# Altium PCB 2022飞镖系统主控板.PcbDoc
Units mil, origin at the board's own origin, x right, y up, seen from the top; angles counter-clockwise.
Board outline 2440 x 2780 mil, 2 copper layers (Top Layer, Bottom Layer); 95 components, 63 nets, 331 pads, 167 vias.
Unrouted connection lines stored in the file: 4.
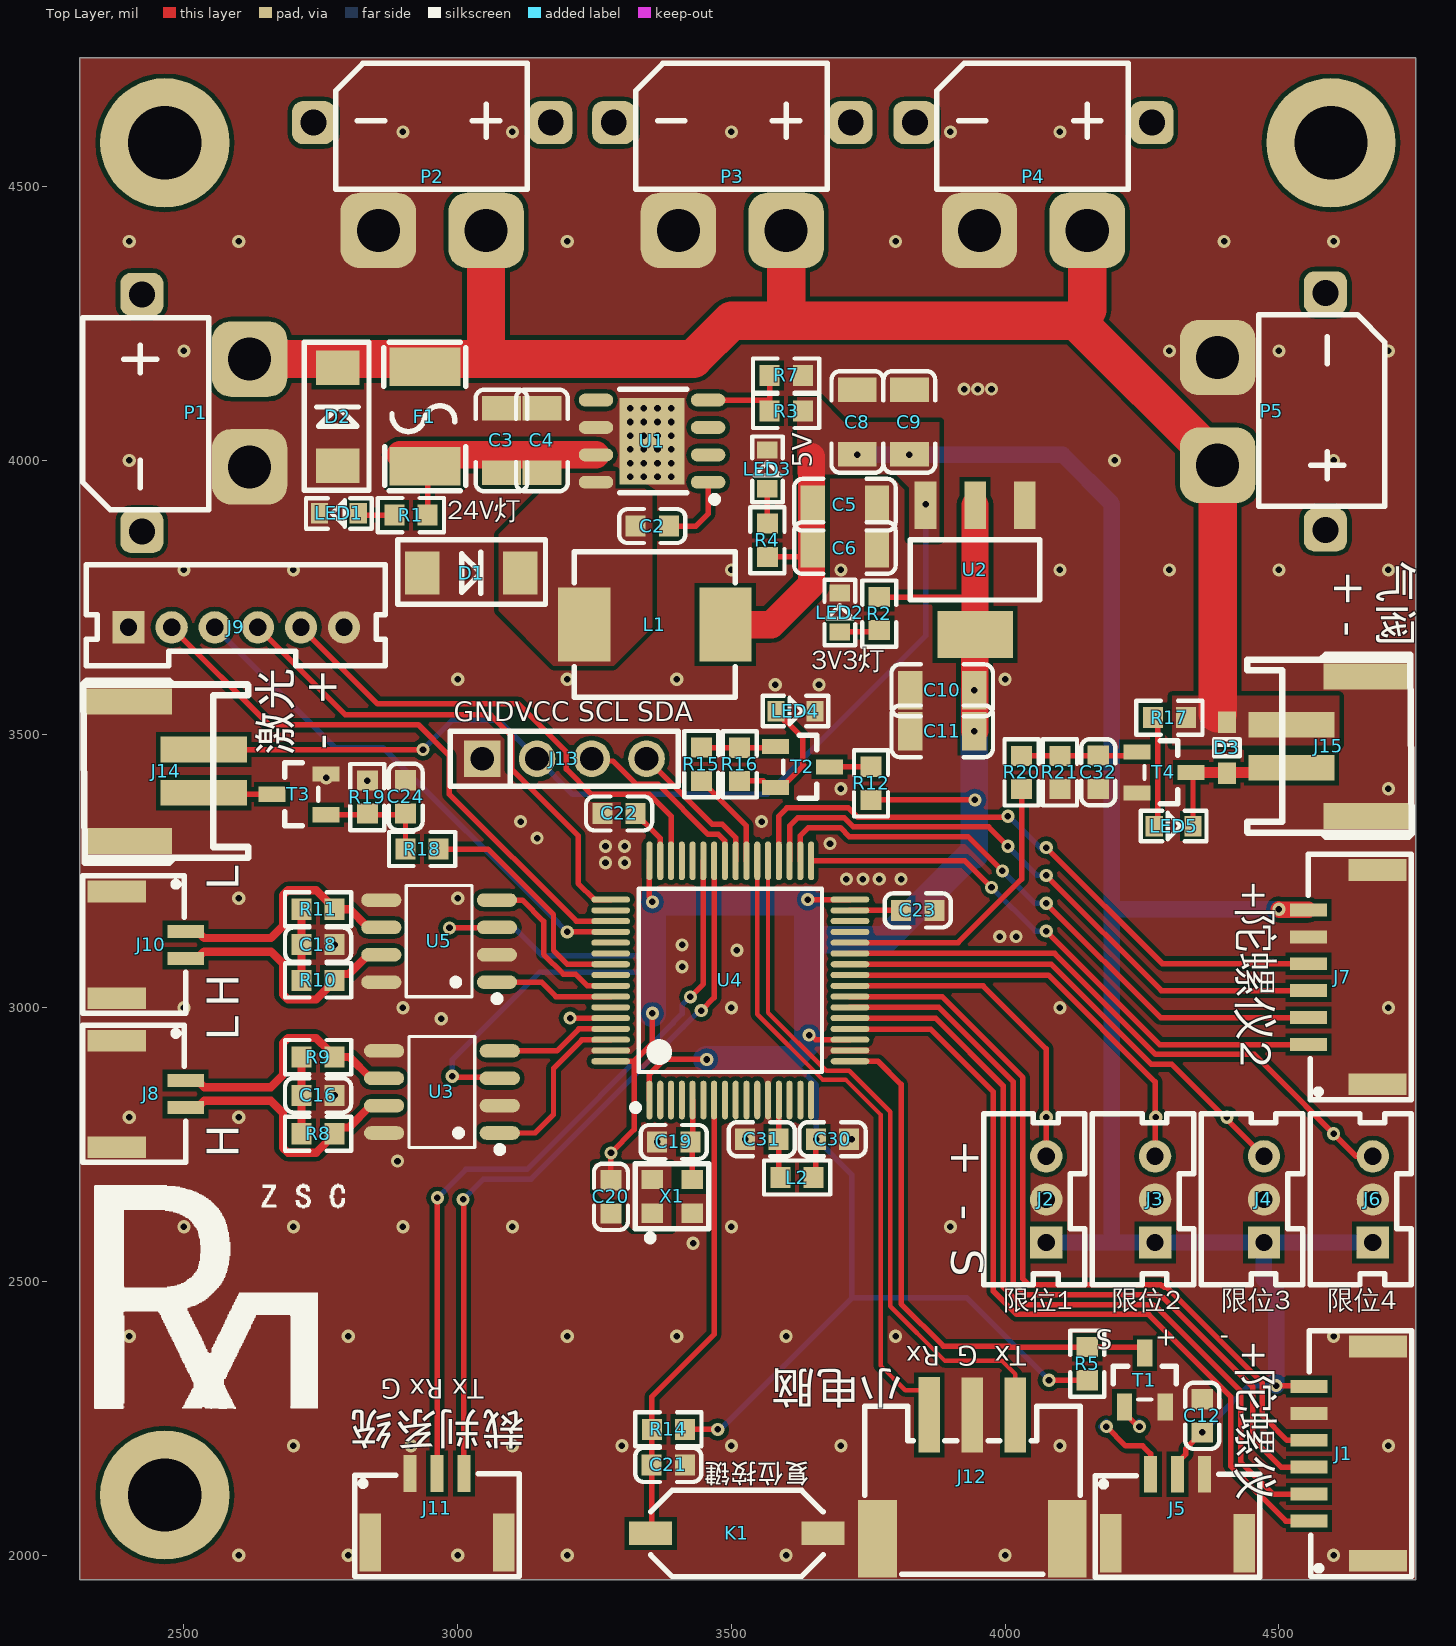
[diagram p0: Top Layer view]
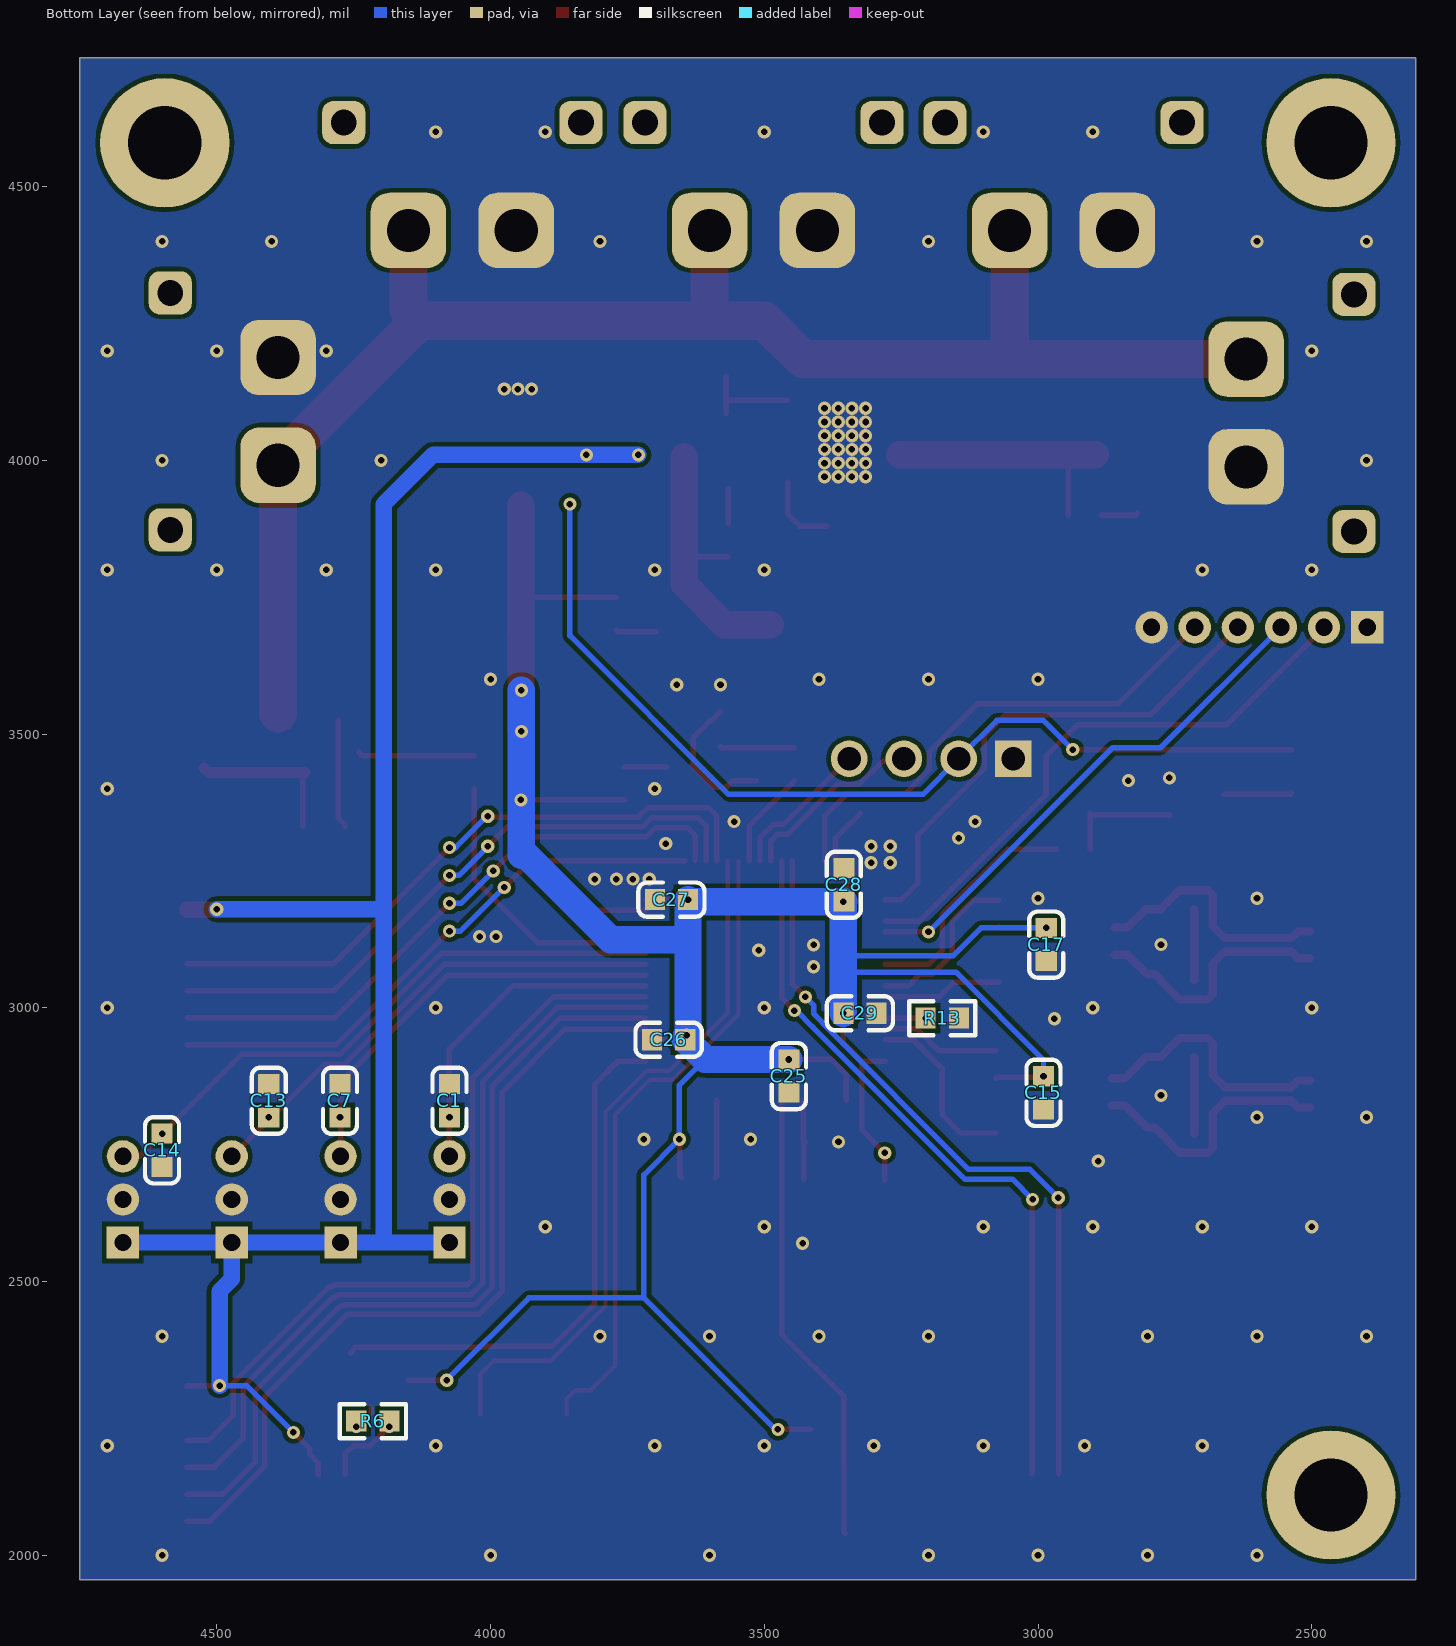
[diagram p1: Bottom Layer view, seen from below]
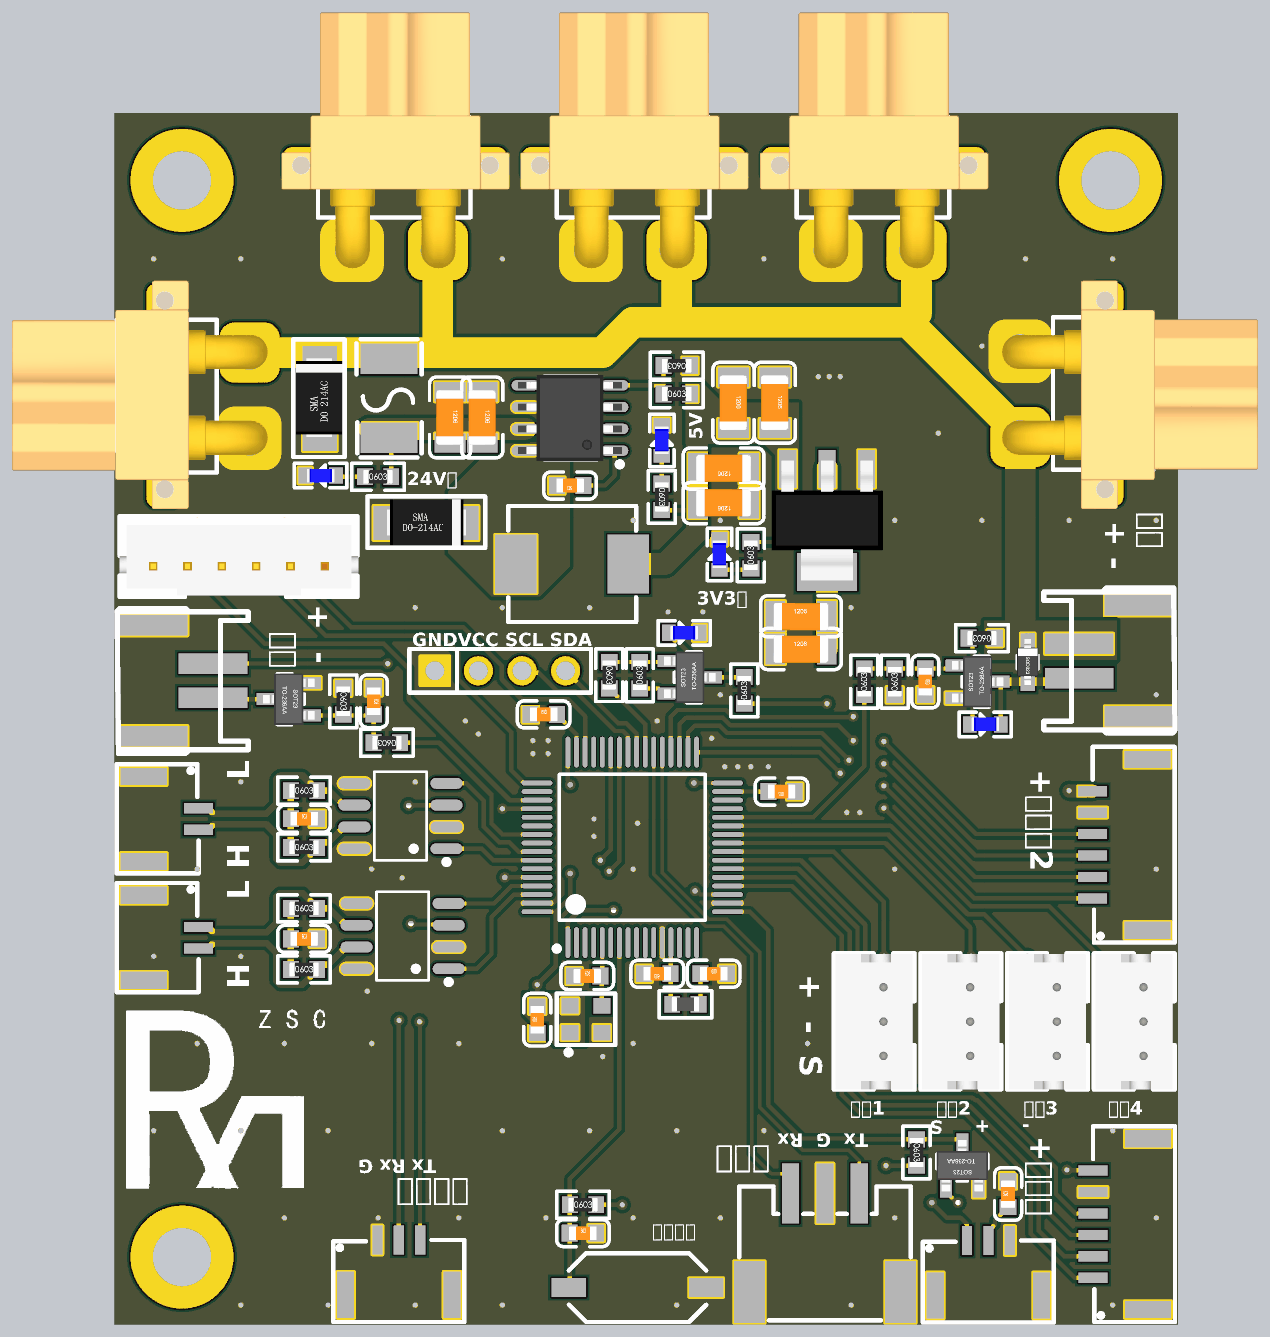
[diagram p2: 3D render of the assembled board from above, using the file's embedded part models]
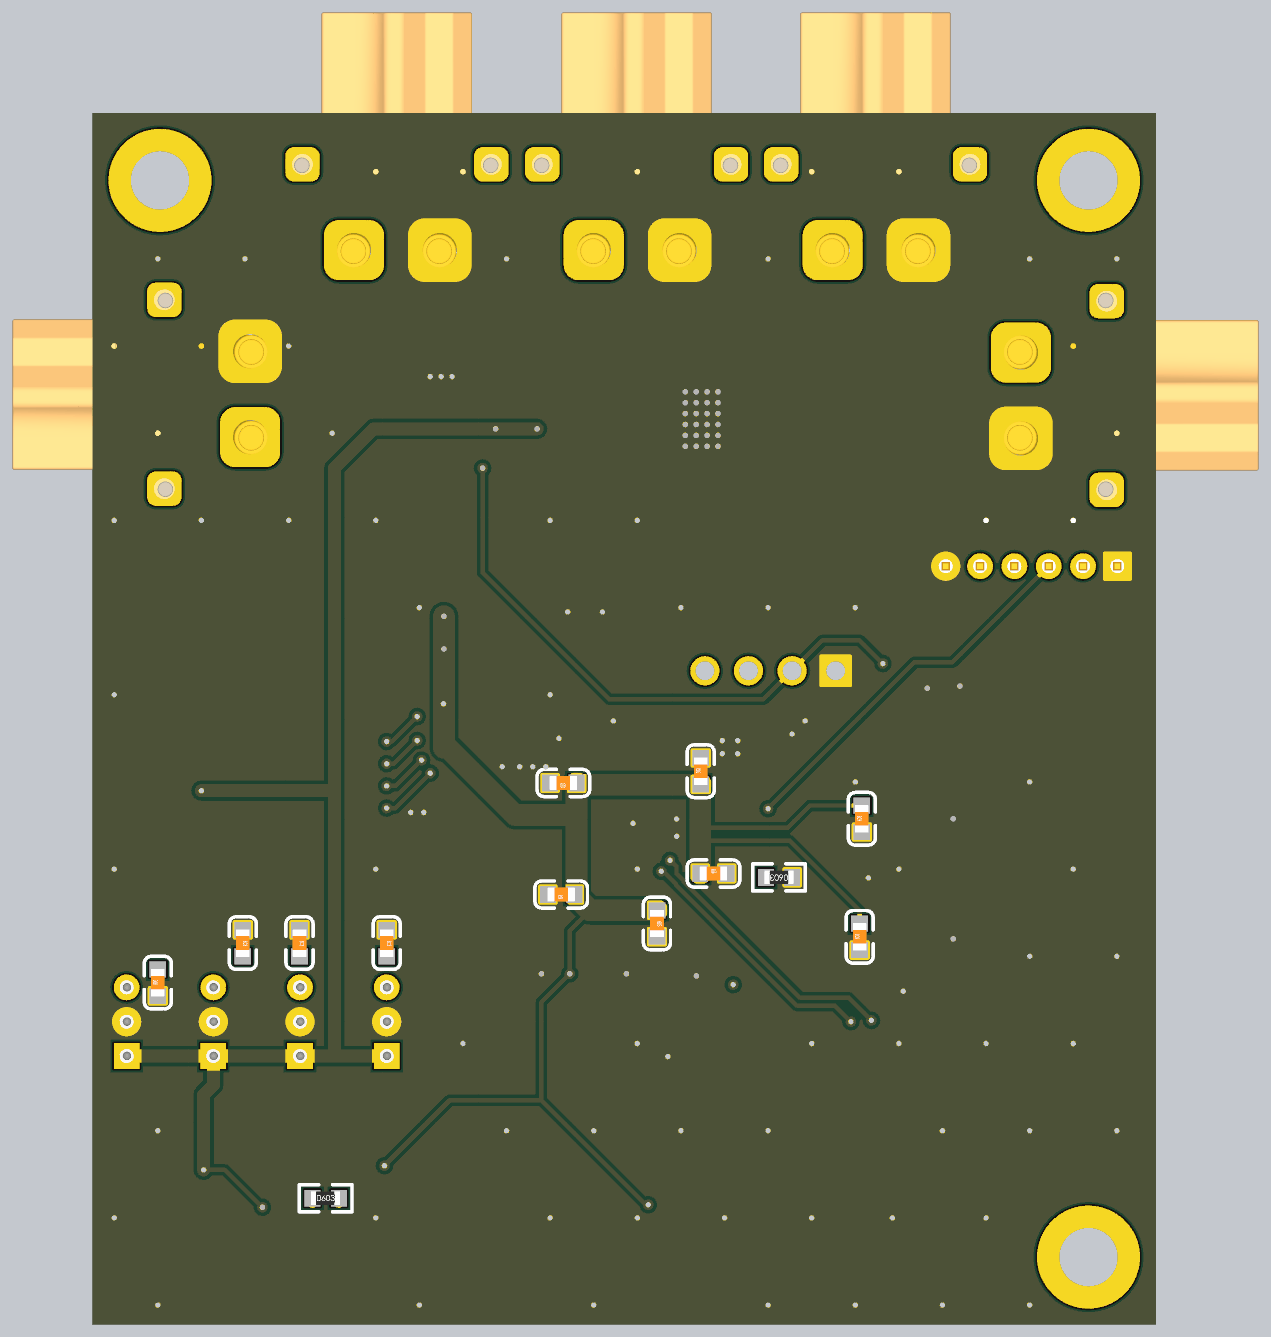
[diagram p3: 3D render of the assembled board from below, using the file's embedded part models]

## Layer stack, top to bottom
Top Solder: solder mask 0.4, Solder Resist, Dk 3.5
Top Layer: signal copper 1.4
Dielectric 1: dielectric 12.6, FR-4, Dk 4.8
Bottom Layer: signal copper 1.4
Bottom Solder: solder mask 0.4, Solder Resist, Dk 3.5

## Board outline
2310,1955 4750,1955 4750,4735 2310,4735

## Design rules (kind name [scope] priority, off if disabled: settings)
Clearance [All] p1: gap=8 ignorepadtopadclearanceinfootprint=TRUE
PolygonConnect [All] p1: connectstyle=Direct reliefconductorwidth=10 reliefentries=4 polygonreliefangle="90 Angle" airgapwidth=10
RoomDefinition 2022飞镖系统主控板 [InComponentClass('2022飞镖系统主控板')] p1: confinementstyle=ConfineIn formatcopy=TRUE lockcomponents=FALSE outline 0,0 2000,0 2000,1000 0,1000
RoutingVias [All] p1: holewidth=12 width=24 viastyle="Through Hole" minholewidth=12 minwidth=24 maxholewidth=28 maxwidth=50
SolderMaskExpansion [All] p1: expansion=4 istentingtop=FALSE
Width [All] p1: maxlimit=100 minlimit=8 preferedwidth=10
30 further rules are at their usual default settings.

## Components (designator, comment, footprint, x,y, rotation, side; value= is the part's Value field where it differs from the comment)
C1 "100nF" 0603_C 4075,2830 r270 bottom
C2 "?F" 0603_C 3355,3880 r180 top
C3 "?F" 1206_C 3080,4036.27 r270 top
C4 "?F" 1206_C 3153.82,4036.27 r270 top
C5 "?F" 1206_C 3707.25,3918.9 r180 top
C6 "?F" 1206_C 3707.25,3839.8 r180 top
C7 "100nF" 0603_C 4275,2830 r270 bottom
C8 "?F" 1206_C 3730,4070 r270 top
C9 "?F" 1206_C 3825,4070 r270 top
C10 "?F" 1206_C 3885,3580 r0 top
C11 "?F" 1206_C 3885,3505 r0 top
C12 "100nF" 0603_C 4360,2255 r90 top
C13 "100nF" 0603_C 4405,2830 r270 bottom
C14 "100nF" 0603_C 4600,2740 r90 bottom
C15 "100nF" 0603_C 2990,2845 r90 bottom
C16 "10pF" 0603_C 2745.31,2840 r0 top
C17 "100nF" 0603_C 2985,3115.84 r90 bottom
C18 "10pF" 0603_C 2745.31,3115.52 r0 top
C19 "18pF" 0603_C 3395,2755 r0 top
C20 "100nF" 0603_C 3280,2655 r90 top
C21 "100nF" 0603_C 3385,2165 r0 top
C22 "100nF" 0603_C 3295,3355 r0 top
C23 "100nF" 0603_C 3840,3177.95 r180 top
C24 "100nF" 0603_C 2905,3385 r270 top
C25 "100nF" 0603_C 3455,2875 r270 bottom
C26 "100nF" 0603_C 3675,2941.73 r0 bottom
C27 "100nF" 0603_C 3670,3197.64 r0 bottom
C28 "100nF" 0603_C 3354.65,3225 r90 bottom
C29 "100nF" 0603_C 3325,2990 r180 bottom
C30 "100nF" 0603_C 3685,2760 r0 top
C31 "100nF" 0603_C 3555,2760 r180 top
C32 "100nF" 0603_C 4170,3430 r270 top
D1 "SS34" SMA(DO-214AC) 3030,3795 r180 top
D2 "SMAJ28A" SMA(DO-214AC) 2780,4085 r270 top
D3 "稳压二极管" SOD-323 4405,3475 r270 top
F1 "保险丝" 1812_F 2940,4080 r270 top
J1 "HDR  1x6" "GH 6P 1.25mm 卧 贴" 4555,2160.87 r270 top
J2 "HDR  1x3" "PH 3P 2mm 立 插" 4075,2571.26 r90 top
J3 "HDR  1x3" "PH 3P 2mm 立 插" 4273.83,2571.26 r90 top
J4 "HDR  1x3" "PH 3P 2mm 立 插" 4472.67,2571.26 r90 top
J5 "HEADER1x3" "GH 3P 1.25mm 卧 贴" 4315,2085 r180 top
J6 "HDR  1x3" "PH 3P 2mm 立 插" 4671.5,2571.26 r90 top
J7 "HDR  1x6" "GH 6P 1.25mm 卧 贴" 4554.02,3031.26 r270 top
J8 "HDR  1x2" "GH 2P 1.25mm 卧 贴" 2440.13,2842.56 r90 top
J9 "PH6PIN" "PH 6P 2mm 立 插" 2398.78,3695 r0 top
J10 "HDR  1x2" "GH 2P 1.25mm 卧 贴" 2440.13,3115 r90 top
J11 "HDR  1x3" "GH 3P 1.25mm 卧 贴" 2962.48,2086.26 r180 top
J12 "HDR  1x3" "PH 3P 2mm 卧 贴" 3940,2143.08 r180 top
J13 "HDR  1x4" "排针排母 4P 2.54mm" 3195,3455 r0 top
J14 "HDR1x2" "PH 2P 2mm 立 贴" 2536.14,3471.63 r90 top
J15 "HDR1x2" "PH 2P 2mm 立 贴" 4523,3438.37 r270 top
K1 "KEY-2P" SW-按键 3510,2040 r180 top
L1 "15uH" SMD_7.3*6.6*3MM_0630 3360,3700 r180 top
L2 "10uH" 0603_L 3620,2690 r180 top
LED1 "LED" LED_0603 2785,3905 r180 top
LED2 "LED" LED_0603 3700,3720 r90 top
LED3 "LED" LED_0603 3567.75,3981.46 r90 top
LED4 "LED" LED_0603 3615,3540 r0 top
LED5 "LED" LED_0603 4305.68,3330 r0 top
P1 "XT30,XT60" XT30PW-F 2620,4185 r90 top
P2 "XT30,XT60" XT30PW-F 3051.85,4420 r0 top
P3 "XT30,XT60" XT30PW-F 3599.96,4420 r0 top
P4 "XT30,XT60" XT30PW-F 4149.96,4420 r0 top
P5 "XT30,XT60" XT30PW-F 4388.15,3991 r270 top
R1 "RES" 0603_R 2914.68,3900 r0 top
R2 "RES" 0603_R 3770,3720 r90 top
R3 "10K" 0603_R 3600,4090 r0 top
R4 "RES" 0603_R 3565.75,3853.9 r270 top
R5 "4.7K" 0603_R 4150,2350 r270 top
R6 "4.7K" 0603_R 4215,2245 r180 bottom
R7 "3.24K" 0603_R 3600,4155 r180 top
R8 "60R" 0603_R 2745,2770 r0 top
R9 "60R" 0603_R 2745,2910 r0 top
R10 "60R" 0603_R 2745,3050 r0 top
R11 "60R" 0603_R 2745,3180 r0 top
R12 "10K" 0603_R 3755,3410 r90 top
R13 "10K" 0603_R 3175,2981.1 r0 bottom
R14 "10K" 0603_R 3385,2230 r0 top
R15 "10K" 0603_R 3445,3445 r270 top
R16 "10K" 0603_R 3515,3444.68 r90 top
R17 "10K" 0603_R 4300,3530 r180 top
R18 "Res" 0603_R 2935,3290 r180 top
R19 "Res" 0603_R 2835,3385 r270 top
R20 "1K" 0603_R 4030,3430 r90 top
R21 "10K" 0603_R 4100,3430 r90 top
T1 "SS8050" SOT-23 4255,2320 r270 top
T2 "SS8050" SOT-23 3630,3440 r180 top
T3 "SS8050" SOT-23 2710,3390 r0 top
T4 "SS8050" SOT-23 4290,3430 r180 top
U1 "TPS5430" SOP8-EP 3355,4035 r90 top
U2 "AMS1117" SOT-223 3945,3800 r90 top
U3 "MAX3051ESA" SOP8 2990,2846.3 r180 top
U4 "STM32F405RGTx" LQFP-64_10x10x05P 3497.96,3050 r0 top
U5 "MAX3051ESA" SOP8 2985,3121.82 r180 top
X1 "XTAL-4" OSC-SMD_4P 3393.23,2651.42 r0 top

## Footprints (in the part's own frame and the unit in brackets; to place one, negate y for a bottom-side part, rotate by r counter-clockwise, add the part's x,y. Pads: shape width x height; smd on the part's side, far side on the other; paste and mask are expansions set on the pad)
0603_C [mm] "SMD, 0603"
  rect 0.93x0.98 smd: 1(-0.778,0) 2(0.762,0)
  silkscreen extent -1.54,-0.79 1.53,0.79, body extent -0.81,-0.4 0.79,0.4, height 0.3
0603_L [mm] "SMD, 0603"
  rect 0.93x0.98 smd: 1(-0.77,0) 2(0.77,0)
  silkscreen extent -1.53,-0.79 1.54,0.79, body extent -0.82,-0.41 0.83,0.41, height 0.46
0603_R [mm] "SMD, 0603"
  rect 0.93x0.98 smd: 1(-0.77,0) 2(0.77,0)
  silkscreen extent -1.53,-0.79 1.54,0.79, body extent -0.85,-0.4 0.85,0.4, height 0.56
1206_C [mm] "SMD, 1206"
  rect 1.13x1.8 smd: 1(-1.49,0) 2(1.49,0)
  silkscreen extent -2.36,-1.2 2.35,1.2, body extent -1.6,-0.81 1.6,0.79, height 1
1812_F [mm] "SMD, 1812"
  rect 1.78x3.3 smd: 1(-2.305,0) 2(2.305,0)
  silkscreen extent -3.45,-1.9 3.45,1.9
"GH 2P 1.25mm 卧 贴" [mm] "1.25mm"
  rect 1x2.7 smd: 0(-2.475,1.6) 0(2.475,1.6)
  rect 0.6x1.7 smd: 1(-0.625,-1.6) 2(0.625,-1.6)
  silkscreen extent -3.17,-1.6 3.2,3.18
"GH 3P 1.25mm 卧 贴" [mm] "1.25mm"
  rect 1x2.7 smd: 0(-3.1,1.6) 0(3.1,1.6)
  rect 0.6x1.7 smd: 1(1.25,-1.6) 2(0,-1.6) 3(-1.25,-1.6)
  silkscreen extent -3.81,-1.6 3.82,3.18
"GH 6P 1.25mm 卧 贴" [mm] "1.25mm"
  rect 1x2.7 smd: 0(-5.6,3.2) 0(4.35,3.2)
  rect 0.6x1.7 smd: 1(2.5,0) 2(1.25,0) 3(0,0) 4(-1.25,0) 5(-2.5,0) 6(-3.75,0)
  silkscreen extent -6.33,0 5.07,4.78
LED_0603 [mm]
  rect 0.8x0.95 smd: 1(-0.849,0.051) 2(0.951,0.051)
  silkscreen extent -1.47,-0.66 1.57,0.76, body extent -0.75,-0.34 0.85,0.46, height 0.8
LQFP-64_10x10x05P [mm]
  oval 0.28x1.8 smd mask+0.051: 1(-3.75,-5.55) 2(-3.25,-5.55) 3(-2.75,-5.55) 4(-2.25,-5.55) 5(-1.75,-5.55) 6(-1.25,-5.55) 7(-0.75,-5.55) 8(-0.25,-5.55) 9(0.25,-5.55) 10(0.75,-5.55) 11(1.25,-5.55) 12(1.75,-5.55) 13(2.25,-5.55) 14(2.75,-5.55) 15(3.25,-5.55) 16(3.75,-5.55) 33(3.75,5.55) 34(3.25,5.55) 35(2.75,5.55) 36(2.25,5.55) 37(1.75,5.55) 38(1.25,5.55) 39(0.75,5.55) 40(0.25,5.55) 41(-0.25,5.55) 42(-0.75,5.55) 43(-1.25,5.55) 44(-1.75,5.55) 45(-2.25,5.55) 46(-2.75,5.55) 47(-3.25,5.55) 48(-3.75,5.55)
  oval 1.8x0.28 smd mask+0.051: 17(5.55,-3.75) 18(5.55,-3.25) 19(5.55,-2.75) 20(5.55,-2.25) 21(5.55,-1.75) 22(5.55,-1.25) 23(5.55,-0.75) 24(5.55,-0.25) 25(5.55,0.25) 26(5.55,0.75) 27(5.55,1.25) 28(5.55,1.75) 29(5.55,2.25) 30(5.55,2.75) 31(5.55,3.25) 32(5.55,3.75) 49(-5.55,3.75) 50(-5.55,3.25) 51(-5.55,2.75) 52(-5.55,2.25) 53(-5.55,1.75) 54(-5.55,1.25) 55(-5.55,0.75) 56(-5.55,0.25) 57(-5.55,-0.25) 58(-5.55,-0.75) 59(-5.55,-1.25) 60(-5.55,-1.75) 61(-5.55,-2.25) 62(-5.55,-2.75) 63(-5.55,-3.25) 64(-5.55,-3.75)
  silkscreen extent -4.55,-6.05 4.25,4.25
OSC-SMD_4P [mil]
  rect 39.37x35.43 smd: 1(-38.23,-26.42) 2(35,-26.42) 3(35,35) 4(-38.23,35)
  silkscreen extent -69,-78 65,63
"PH 2P 2mm 立 贴" [mm] "2mm"
  rect 1.2x4 smd: 0(-4.232,3.48) 0(2.232,3.48) 1(0,0) 2(-2,0)
  silkscreen extent -5.25,-2.06 3.2,5.59
"PH 3P 2mm 卧 贴" [mm]
  rect 1.8x3.6 smd: 0(-4.4,2.876) 0(4.4,2.876)
  rect 1x3.5 smd: 1(-2,-2.874) 2(0,-2.874) 3(2,-2.876)
  silkscreen extent -5,-3.28 5,4.52
"PH 3P 2mm 立 插" [mm] "2mm"
  rect 1.5x1.5 hole 0.8: 1(0,0)
  round 1.5 hole 0.8: 2(2,0) 3(4,0)
  silkscreen extent -1.95,-1.79 5.98,2.91, body extent -1.94,-1.68 5.96,2.82, height 6
"PH 6P 2mm 立 插" [mm] "2mm"
  rect 1.5x1.5 hole 0.8: 1(0,0)
  round 1.5 hole 0.8: 2(2,0) 3(4,0) 4(6,0) 5(8,0) 6(10,0)
  silkscreen extent -1.95,-1.79 11.9,2.91, body extent -1.95,-1.7 11.95,2.8, height 6
SMA(DO-214AC) [mm] "SMA(DO-214AC)"
  rect 1.6x2 smd: 1(2.403,0.025) 2(-2.132,0.025)
  silkscreen extent -3.31,-1.52 3.55,1.47, body extent -2.21,-1.35 2.39,1.35, height 2.4
SMD_7.3*6.6*3MM_0630 [mm] "SMD,0630"
  rect 2.424x3.42 smd: 1(3.278,0) 2(-3.278,0)
  silkscreen extent -3.73,-3.38 3.73,3.38, body extent -3.72,-3.38 3.73,3.38, height 3
SOD-323 [mm]
  rect 1x0.83 smd: 1(1.18,0) 2(-1.18,0)
  silkscreen extent -0.4,-0.6 0.4,0.6, body extent -1.35,-0.62 1.35,0.63, height 1.1
SOP8 [mm] "L4.9-W3.9-P1.27-LS6.0-BL"
  oval 1.865x0.63 smd: 1(-2.204,1.905) 2(-2.204,0.635) 3(-2.204,-0.635) 4(-2.204,-1.905) 5(3.161,-1.905) 6(3.161,-0.635) 7(3.161,0.635) 8(3.161,1.905)
  silkscreen extent -2.35,-2.58 2,2.82
SOP8-EP [mm]
  rect 4x3 smd: 0(0,0)
  oval 0.6x1.6 smd: 1(-1.905,-2.6) 2(-0.635,-2.6) 3(0.635,-2.6) 4(1.905,-2.6) 5(1.905,2.6) 6(0.635,2.6) 7(-0.635,2.6) 8(-1.905,2.6)
  silkscreen extent -2.85,-3.05 2.4,1.5, body extent -2.51,-3.02 2.51,3.02, height 1.6
SOT-23 [mm]
  rect 1.25x0.7 smd: 1(1.25,-0.95) 2(1.25,0.95) 3(-1.25,0)
  silkscreen extent -0.65,-1.46 0.9,1.46, body extent -1.5,-1.5 1.5,1.5, height 1.3
SOT-223 [mm]
  rect 2.2x1 smd: 1(3,-2.3) 2(3,0) 3(3,2.3)
  rect 2.2x3.5 smd: 2(-3,0)
  silkscreen extent -1.4,-3 1.4,3, body extent -3.49,-3.24 3.49,3.24, height 1.64
SW-按键 [mm]
  rect 2x1.1 smd: 1(-4,0) 2(4,0)
  silkscreen extent -4,-2 4,2
XT30PW-F [mm]
  rrect50% 2x2 hole 1.2: 0(-8,5) 0(3,5)
  rrect50% 3.5x3.5 hole 2: 1(0,0) 2(-5,0)
  silkscreen extent -6.98,1.9 1.91,7.75, body extent -9.11,-1.06 4.19,13.84, height 5
"排针排母 4P 2.54mm" [mm]
  rect 1.7x1.7 hole 1.1: 1(-3.81,0)
  round 1.7 hole 1.1: 2(-1.27,0) 3(1.27,0) 4(3.81,0)
  silkscreen extent -5.29,-1.27 5.29,1.27

## Part data
C1 C7 C12 C13 C14 C21 C24 C25 C26 C27 C28 C29 C30 C31 C32: library part Cap, LatestRevisionDate=17-Jul-2002, LatestRevisionNote="Re-released for DXP Platform.", PackageReference=RAD-0.3, Published=8-Jun-2000, Publisher="Altium Limited"
C2 C3 C4 C5 C6 C8 C9 C10 C11 C15 C17 C19 C20 C22 C23: library part CAP, "Capacitor"
C16 C18: library part C, Package=0603, SuppliersPartNumber=C19666, ComponentLink1Description=供应商链接, ComponentLink1URL=http://www.szlcsc.com/product/details_20375.html, Supplier=LC
D1: "肖特基二极管", BOM_JLCPCB Part Class="Extended Part", BOM_Manufacturer="SHOU HAN", BOM_Manufacturer Part=MSK12C02, BOM_Supplier=LCSC, BOM_Supplier Part=C431540, Contributor=LCSC, spicePre=S, spiceSymbolName=MSK12C02
D2: "TVS"
J1 J2 J3 J4 J6 J7 J8 J10 J11 J12 J13 J14 J15: "Connector"
J9: library part "PH 6P"
K1: "Key"
L1 L2: library part Inductor, "Inductor", Code_IEC=1005, Code_JEITA=0402, LatestRevisionDate=17-Jul-2002, LatestRevisionNote="Re-released for DXP Platform.", PackageReference=0402-A, Published=8-Jun-2000, Publisher="Altium Limited"
P1 P2 P3 P4 P5: library part XT, "电源接口"
R1 R2 R4: "Resistor"
R3 R7 R12 R13 R15 R16: library part RES, "Resistor"
R5 R6 R14 R17 R20 R21: library part Res, LatestRevisionDate=17-Jul-2002, LatestRevisionNote="Re-released for DXP Platform.", PackageReference=AXIAL-0.4, Published=8-Jun-2000, Publisher="Altium Limited"
R8 R9 R10 R11: library part R
T1 T2 T3 T4: "NPN", PackageDocument=Sep-1998, Code_JEDEC=TO-92A, ComponentLink1Description="Manufacturer Link", ComponentLink1URL=http://www.fairchildsemi.com/, ComponentLink2Description=Datasheet, ComponentLink2URL=http://www.fairchildsemi.com/ds/2N%2F2N3904.pdf, DatasheetDocument=1997, LatestRevisionDate=15-Jan-2003, LatestRevisionNote="PCB Footprint 'BCY-W3/D4.7' replaced", PackageReference=TO-92A, Published=8-Jun-2000, Publisher="Altium Limited"
U1: "DC-DC 降压芯片"
U2: "LDO"
U3 U5: "CAN芯片"
U4: "STM32单片机"
X1: "Oscillator"
R18 R19: LatestRevisionDate=17-Jul-2002, LatestRevisionNote="Re-released for DXP Platform.", PackageReference=AXIAL-0.4, Published=8-Jun-2000, Publisher="Altium Limited"

## Free pads (board coordinates)
  round 236.22 hole 133.86: 0(2465,2110) 0(2465,4580) 0(4595,4580)

## Via types
v1: diameter 24, hole 12, Top Layer to Bottom Layer, 98 vias
v2: diameter 24, hole 12, Top Layer to Bottom Layer, tented both sides, 69 vias

## Nets (pads, with @x,y where several pads share a name; then routed paths per layer and width w, separated by ;. In a path a pad name is that pad's centre, name@x,y a point inside that pad or via, vN(x,y) a via of type N, cw(c..) or ccw(c..) an arc to the next point about the centre after c; other vN are vias at no path point)
3V3: C10.2 C11.2 C15.2 C17.2 C20.2 C25.1 C26.1 C27.1 C28.1 C29.1 C30.1 L2.1 R2.2 R5.2 R12.1 R14.2 U2.2 U3.3 U4.1 U4.19 U4.32 U4.48 U4.64 U5.3 X1.1 X1.4 | length 5657.1
  Top Layer w10: v1(2985,3145.84) 2985.49,3146.33 3071.28,3146.33 U5.3 ; v1(2990,2875) 2991.85,2873.15 3074.92,2873.15 U3.3 ; U4.64 3322.36,2902.36 ; C20.2 v1(3280,2735) 3322.36,2777.36 3322.36,2902.36 ; U4.1 3350.32,2878.63 3377.32,2905.63 v1(3455,2905.63) ; U4.48 3350.32,3202.48 3355.63,3197.17 v1(3355.63,3193.39) ; v1(3355.63,2990) 3355.63,2935.63 3322.36,2902.36 ; R14.2 v1(3475,2230) ; v1(3639.37,3197.64) U4.32 ; v1(3641.89,2950) 3645.68,2950 3653.95,2941.73 U4.19 ; L2.1 3654.37,2694.06 C30.1 ; R12.1 v1(3944.69,3379.69) ; R2.2 3940.32,3750.32 3945,3755 ; v1(4080,2319.68) R5.2
  Top Layer w50: C11.2@3944.33,3505.67 3944.33,3681.22 3945,3681.89 3945,3755 U2.2@3945,3918.11
  Bottom Layer w10: v1(2985,3145.84) 3104.16,3145.84 3155,3095 3352.32,3095 3355.63,3091.69 ; v1(2990,2875) 2990,2905 3150,3065 3355.63,3065 ; v1@3475,2225 3720,2470 ; 3608.27,2905.63 3655,2858.9 v1(3655,2760) 3720,2695 3720,2470 ; v1@4080,2320 3930,2470 3720,2470
  Bottom Layer w50: C28.1 v1(3355.63,3193.39) ; v1(3355.63,2990) 3355.63,3065 3355.63,3091.69 v1(3355.63,3193.39) ; v1(3455,2905.63) 3608.27,2905.63 C26.1 ; C26.1@3639.37,2946.73 3639.37,3124.37 ; C26.1@3641.89,2944.21 v1(3641.89,2950) ; v1(3943.66,3580) v1(3943.66,3505) 3943.66,3278.66 3934.92,3278.66 3780.63,3124.37 3639.37,3124.37 ; v1(3355.63,3193.39) 3635.12,3193.39 v1(3639.37,3197.64) 3639.37,3124.37
5V: C5.2 C6.2 C8.2 C9.2 C12.1 J1.6 J2.1 J3.1 J4.1 J5.2 J6.1 J7.6 J13.2 J14.1 L1.2 R3.2 R4.2 U2.3 | length 5671.5
  Top Layer w10: J14.1 v1(2936.63,3471.63) ; R4.2 3632.37,3823.58 3646.3,3837.51 C6.2 ; J5.2 4315,2169.65 4330,2184.65 4330,2194.37 4344.02,2208.39 4344.02,2209.37 4359.02,2224.37 v1(4360,2224.37) ; v1(4495,2310) 4495.75,2309.25 4554.25,2309.25 J1.6
  Top Layer w30: v1(4500,3180) 4501.1,3178.9 J7.6
  Top Layer w50: L1.2 3573.08,3700 3646.3,3773.22 3646.3,3837.51 3646.3,4006.3
  Bottom Layer w10: v1(2936.63,3471.63) 2990,3525 3075,3525 J13.2 3210,3390 3565,3390 3855,3680 v1(3855,3920) ; v1(4360,2224.37) 4445.63,2310 v1(4495,2310)
  Bottom Layer w30: v1(3730,4010) v1(3825,4010) 4105,4010 4195,3920 4195,2575 ; J2.1@4081.26,2565 J2.1 J3.1 J4.1 ; 4200,3180 v1(4500,3180) ; v1(4495,2310) 4495,2482.33 4472.67,2504.66 J4.1 ; J6.1 J4.1
24V: D2.2 D3.2 F1.1 J15.2 P1.1 P2.1 P3.1 P4.1 P5.1 R17.1 | length 2936.7
  Top Layer w70: P1.1 2780.98,4185 2940,4185 3050,4185 ; P2.1 3051.85,4186.85 3050,4185 ; P3.1 3599.96,4255.04 3600,4255 ; P4.1 4149.96,4274.96 4130,4255 ; 4388.15,3538.31 P5.1 4388.15,3996.85 4130,4255 ; 3050,4185 3430,4185 3500,4255 3600,4255 ; 3600,4255 4130,4255
CAN1_H: J8.1 R8.2 U3.7 | length 480.6
  Top Layer w15: J8.1 2524.78,2817.95 2536.89,2830.06 2658.91,2830.06 2680.88,2808.09 2680.88,2744.29 2689.96,2735.21 2741.51,2735.21 2764.51,2758.21 2764.51,2759.19 R8.2 2775.32,2770.38 2786.12,2781.19 2801.12,2781.19 2841.24,2821.3 U3.7
CAN1_L: J8.2 R9.2 U3.6 | length 470
  Top Layer w15: J8.2 2524.78,2867.16 2536.89,2855.06 2658.91,2855.06 2680.88,2877.03 2680.88,2935.71 2689.96,2944.79 2741.51,2944.79 2764.51,2921.79 2764.51,2920.81 R9.2 2802.54,2910 2841.24,2871.3 U3.6
CAN2_H: J10.1 R10.2 U5.7 | length 466.5
  Top Layer w15: J10.1 2524.78,3090.39 2536.89,3102.5 2658.91,3102.5 2680.88,3080.53 2680.88,3024.29 2689.96,3015.21 2741.51,3015.21 2775.32,3049.02 R10.2 2775.32,3050.9 2786.12,3061.71 2801.12,3061.71 2836.24,3096.82 U5.7
CAN2_L: J10.2 R11.2 U5.6 | length 460.3
  Top Layer w15: J10.2 2524.78,3139.61 2536.89,3127.5 2658.91,3127.5 2680.88,3149.47 2680.88,3205.71 2689.96,3214.79 2741.51,3214.79 2775.32,3180.98 R11.2 2803.06,3180 2836.24,3146.82 U5.6
GND: C1.1 C3.1 C4.1 C5.1 C6.1 C7.1 C8.1 C9.1 C10.1 C11.1 C12.2 C13.1 C14.1 C15.1 C16.2 C17.1 C18.2 C19.1 C20.1 C21.2 C22.1 C23.1 C24.1 C25.2 C26.2 C27.2 C28.2 C29.2 C30.2 C31.2 C32.2 D1.1 D2.1 J1.0 J1.5 J2.2 J3.2 J4.2 J5.0 J5.3 J6.2 J7.0 J7.5 J8.0 J9.1 J9.6 J10.0 J11.0 J11.1 J12.0 J12.2 J13.1 J14.0 J15.0 K1.1 LED1.2 LED2.2 LED3.2 LED4.2 P1.2 P2.2 P3.2 P4.2 P5.2 R7.1 R13.1 R19.1 R21.1 T1.2 T3.2 T4.2 U1.0 U1.6 U2.1 U3.2 U3.5 U3.8 U4.12 U4.18 U4.63 U5.2 U5.5 U5.8 X1.2
  other v1: 2915,2200 3430,2570 2890,2720 3364.37,2755 3525,2760 3720,2760 2775.31,2840 2970,2980 3410,3075 3510,3105 3410,3115 2775.31,3115.52 3990,3130 4020,3130 3710,3235 3740,3235 3770,3235 3810,3235 3270,3265 3305,3265 3270,3295 3305,3295 3680,3300 3145,3310 3115,3340 3555,3340 2835,3415 2760,3420 3580,3590 3660,3590 3315,3970 3340,3970 3365,3970 3390,3970 3315,3995 3340,3995 3365,3995 3390,3995 3315,4020 3340,4020 3365,4020 3390,4020 3315,4045 3340,4045 3365,4045 3390,4045 3315,4070 3340,4070 3365,4070 3390,4070 3315,4095 3340,4095 3365,4095 3390,4095 3925,4130 3950,4130 3975,4130
  other v2: 2600,2000 2800,2000 3000,2000 3200,2000 3600,2000 4000,2000 4600,2000 2700,2200 3100,2200 3300,2200 3500,2200 3700,2200 4100,2200 4700,2200 2400,2400 2600,2400 2800,2400 3200,2400 3400,2400 3600,2400 3800,2400 4600,2400 2500,2600 2700,2600 2900,2600 3100,2600 3500,2600 3900,2600 2400,2800 2600,2800 2500,3000 2900,3000 3500,3000 4100,3000 4700,3000 2600,3200 3000,3200 3700,3400 4700,3400 3000,3600 3200,3600 3400,3600 4000,3600 2500,3800 2700,3800 3500,3800 3700,3800 4100,3800 4300,3800 4500,3800 4700,3800 2400,4000 4200,4000 4600,4000 2500,4200 4300,4200 4500,4200 4700,4200 2400,4400 2600,4400 3200,4400 3800,4400 4400,4400 4600,4400 2900,4600 3100,4600 3500,4600 3900,4600 4100,4600
NetC2_1: C2.1 U1.1 | length 138.6
  Top Layer w10: C2.1 3435,3880 3457.36,3902.36 U1.1
NetC2_2: C2.2 D1.2 L1.1 U1.8
NetC3_2: C3.2 C4.2 F1.2 R1.2 U1.7 | length 449
  Top Layer w10: F1.2 2945,3984.25 R1.2
  Top Layer w50: F1.2@2895,4010 U1.7
NetC16_1: C16.1 R8.1 R9.1 | length 140
  Top Layer w15: R8.1 R9.1
NetC18_1: C18.1 R10.1 R11.1 | length 130
  Top Layer w15: R10.1 R11.1
NetC22_2: C22.2 U4.47 | length 105.4
  Top Layer w10: C22.2 3325,3354.02 3340,3339.02 3340.36,3339.02 3370.01,3309.37 U4.47
NetC23_2: C23.2 U4.31 | length 93.5
  Top Layer w10: U4.31 C23.2
NetC24_2: C24.2 R18.2 R19.2 T3.1 | length 211.5
  Top Layer w10: T3.1 2902.6,3352.6 C24.2@2904.68,3354.68 ; R18.2 C24.2@2904.68,3354.68 ; C24.2 C24.2@2904.68,3354.68
NetC32_1: C32.1 R20.2 R21.2 T4.1 | length 213.7
  Top Layer w10: R20.2 R21.2 4233.7,3460.32 T4.1
NetD3_1: D3.1 J15.1 LED5.2 T4.3 | length 286.8
  Top Layer w10: LED5.2 T4.3@4343.11,3426.22
  Top Layer w20: T4.3 T4.3@4339.33,3430 ; T4.3@4343.11,3426.22 T4.3@4339.33,3430 ; J15.1 4514.63,3430 T4.3@4339.33,3430
NetJ5_1: J5.1 R6.2 | length 152.7
  Top Layer w10: v1(4185,2235) 4220,2200 4251.14,2200 4265.79,2185.36 J5.1
  Bottom Layer w10: R6.2@4175,2235 4184.68,2244.68 R6.2
NetJ14_2: J14.2 T3.3 | length 125.8
  Top Layer w10: J14.2 2539.03,3390 T3.3
NetLED1_1: LED1.1 R1.1 | length 67.2
  Top Layer w10: LED1.1 2821.43,3900 R1.1
NetLED2_1: LED2.1 R2.1 | length 73.3
  Top Layer w10: LED2.1 3766.88,3686.57 R2.1
NetLED3_1: LED3.1 R4.1 | length 63.8
  Top Layer w10: R4.1 LED3.1
NetLED4_1: LED4.1 R16.1 T2.2 | length 257.4
  Top Layer w10: R16.1 3558.19,3414.37 3569.96,3402.6 T2.2 3591.61,3402.6 3632.01,3442.99 ; LED4.1 3581.57,3539.05 3596.57,3524.05 3599.52,3524.05 3630,3493.57 3630,3445
NetLED5_1: LED5.1 R17.2 | length 197.9
  Top Layer w10: LED5.1@4266.57,3332 4266.57,3334.95 4278.39,3346.78 R17.2@4278.39,3525
NetR3_1: R3.1 R7.2 U1.4 | length 181.3
  Top Layer w10: U1.4 3569.68,4110 ; R3.1@3569.68,4085 3569.68,4110 ; R7.2@3569.68,4154.02 3569.68,4110
NetR6_1: R6.1 T1.1 | length 58.9
  Top Layer w10: T1.1 4217.6,2259.96 4242.56,2235 v1(4245.31,2235)
  Bottom Layer w10: v1(4245.31,2235) R6.1
NetR12_2: R12.2 T2.3 | length 75.9
  Top Layer w10: T2.3 3754.68,3440 R12.2
NetR13_2: R13.2 U4.60 | length 74.1
  Top Layer w10: v1(3205.32,2981.1) U4.60
NetR15_1: R15.1 R16.2 T2.1 | length 136.7
  Top Layer w10: R15.1 3578.7,3475.31 T2.1
NetR15_2: R15.2 U4.39 | length 180.3
  Top Layer w10: R15.2 3527.49,3332.2 U4.39
NRST: C21.1 K1.2 R14.1 U4.7 | length 839.5
  Top Layer w10: K1.2 3354.37,2041.85 C21.1 3354.69,2165.32 R14.1 3354.69,2289.69 3468.43,2403.43 U4.7
OSC_IN: C19.2 U4.5 X1.3 | length 148.1
  Top Layer w10: X1.3 3428.23,2751.77 C19.2 3429.06,2759.06 U4.5
PA3/USART2_RX: R5.1 T1.3 U4.17 | length 995.6
  Top Layer w10: U4.17 3767.64,2902.36 3810,2860 3810,2459.04 3887.04,2382 4007.04,2382 4008.73,2380.31 R5.1 4246.22,2380.31 4255,2371.54 T1.3
PA4/SPI1_GPIO: J1.1 U4.20 | length 1498.7
  Top Layer w10: U4.20 3716.66,2961.22 3863.78,2961.22 3978.47,2846.53 3978.47,2482.28 4020.75,2440 4262,2440 4412,2290 4412,2163 4512.56,2062.44 J1.1
PA5/SPI1_SCK: J1.2 U4.21 | length 1490.1
  Top Layer w10: U4.21 3872.99,2981.1 3996.47,2857.62 3996.47,2489.73 4028.2,2458 4269.46,2458 4271.25,2456.2 4273.8,2456.2 4430,2300 4430,2170.46 4488.8,2111.65 J1.2
PA6/SPI1_MISO: J1.3 U4.22 | length 1457.3
  Top Layer w10: U4.22 3878.76,3000.79 4014.47,2865.07 4014.47,2497.19 4035.66,2476 4276.91,2476 4278.71,2474.2 4281.25,2474.2 4285.46,2470 4289.54,2470 4452,2307.54 4452,2213 4504.13,2160.87 J1.3
PA7/SPI1_MOSI: J1.4 U4.23 | length 1424.9
  Top Layer w10: U4.23 3716.66,3020.28 3884.72,3020.28 4032.47,2872.53 4032.47,2504.64 4043.12,2494 4284.37,2494 4286.16,2492.2 4288.71,2492.2 4290.91,2490 4295,2490 4470,2315 4470,2255 4514.92,2210.08 J1.4
PA8/I2C3_SCL: J13.3 U4.41 | length 341.7
  Top Layer w10: J13.3 3249.18,3450.82 3283.46,3450.82 3325.75,3408.54 3366.01,3408.54 3457.61,3316.94 3476.1,3316.94 3487.92,3305.12 3487.92,3268.7 U4.41
PA9/USART1_TX: J11.3 U4.42 | length 1363
  Top Layer w10: v1(3010,2650) 3010.85,2649.15 3010.85,2150.1 J11.3 ; v1(3445,2995) 3468.43,3018.43 U4.42
  Bottom Layer w10: v1(3010,2650) 3047,2687 3134.07,2687 3411.63,2964.56 3411.63,2965.36 3441.27,2995 v1(3445,2995)
PA10/USART1_RX: J11.2 U4.43 | length 1386
  Top Layer w10: J11.2 v1@2962.48,2652.72 ; v1@2962.72,2652.72 v1(2962.96,2652.96) ; v1(3425,3020) 3448.75,3043.75 U4.43
  Bottom Layer w10: v1(2962.96,2652.96) 3015,2705 3126.61,2705 3393.63,2972.02 3393.63,2972.81 3410,2989.18 3410,3005 v1(3425,3020)
PB0/限位3: C13.2 J4.3 U4.26 | length 901.5
  Top Layer w10: U4.26 4084.56,3079.53 4267.25,2896.84 4304.58,2896.84 J4.3
  other v1: 4405,2800
PB1/限位4: C14.2 J6.3 U4.27 | length 1108.5
  Top Layer w10: U4.27 4090.33,3099.21 4274.71,2914.84 4455.16,2914.84 4641.26,2728.74 J6.3
  other v1: 4600,2770
PB2/气阀: R20.1 U4.28 | length 526.3
  Top Layer w10: U4.28 3913.9,3118.9 4030,3235 R20.1
PB3/激光: R18.1 U4.55 | length 439.4
  Top Layer w10: R18.1 3055,3290 3175,3170 3175,3105 3200.47,3079.53 U4.55
PB5/CAN2_RX: U4.57 U5.4 | length 308
  Top Layer w10: U5.4 3118.18,3196.82 3157,3158 3157,3097.54 3193.02,3061.53 3215.36,3061.53 3236.73,3040.16 U4.57
PB6/CAN2_TX: U4.58 U5.1 | length 218.6
  Top Layer w10: U5.1 3153.18,3046.82 3179.53,3020.47 U4.58
PB8/CAN1_RX: U3.4 U4.61 | length 219.3
  Top Layer w10: U3.4 3181.3,2921.3 3221.42,2961.42 U4.61
PB9/CAN1_TX: U3.1 U4.62 | length 322.8
  Top Layer w10: U3.1 3141.3,2771.3 3175,2805 3175,2889.54 3226.99,2941.54 3279.26,2941.54 U4.62
PB12/SPI2_GPIO: J7.1 U4.33 | length 1043.7
  Top Layer w10: U4.33 3926.5,3268.5 v1@3972.35,3222.65 ; v1(4075,3140) 4282.16,2932.84 J7.1
  Bottom Layer w10: v1(3975,3220) 4055,3140 v1(4075,3140)
PB13/SPI2_SCK: J7.2 U4.34 | length 1120.6
  Top Layer w10: U4.34 3625.91,3314.36 3640.56,3329 3698.79,3329 3715.41,3312.38 3932.62,3312.38 v1@3992.8,3252.2 ; v1(4075,3190.89) 4283.84,2982.05 J7.2
  Bottom Layer w10: v1(3995,3250) 4054.11,3190.89 v1(4075,3190.89)
PB14/SPI2_MISO: J7.3 U4.35 | length 1148.8
  Top Layer w10: U4.35 3606.23,3332.36 3620.87,3347 3706.25,3347 3722.87,3330.38 3969.91,3330.38 v1@4005.29,3295 ; v1(4075,3241.79) 4285.53,3031.26 J7.3
  Bottom Layer w10: v1(4005,3295) 4058,3242 4074.79,3242 v1(4075,3241.79)
PB15/SPI2_MOSI: J7.4 U4.36 | length 1171.9
  Top Layer w10: U4.36 3586.54,3350.36 3601.19,3365 3713.7,3365 3730.32,3348.38 4003.38,3348.38 v1(4005,3350) ; v1(4075,3292.68) 4287.21,3080.47 J7.4
  Bottom Layer w10: v1(4005,3350) 4006.26,3350 4063.58,3292.68 v1@4072.32,3292.68
PC4/限位1: C1.2 J2.3 U4.24 | length 602.5
  Top Layer w10: U4.24 3959.84,3040.16 4075,2925 J2.3
  other v1: 4075,2800
PC5/限位2: C7.2 J3.3 U4.25 | length 774.2
  Top Layer w10: U4.25 4078.79,3059.84 4273.84,2864.8 J3.3
  other v1: 4275,2800
PC6/USART6_TX: J12.1 U4.37 | length 1284
  Top Layer w8: U4.37 3566.86,2991.09 3673.1,2884.85 3715.15,2884.85 3790,2810 3790,2455 3890,2355 3994.42,2355 4018.74,2330.68 J12.1@4018.74,2257.5
PC7/USART6_RX: J12.3 U4.38 | length 1182.2
  Top Layer w8: U4.38 3547.17,2988.15 3666.48,2868.85 3708.52,2868.85 3772.4,2804.97 3772.4,2346.42 3817.29,2301.53 3845.58,2301.53 3861.26,2285.84 J12.3@3861.26,2257.56
PC9/I2C3_SDA: J13.4 U4.40 | length 264.8
  Top Layer w10: J13.4 3465.06,3334.94 3483.56,3334.94 3507.8,3310.69 U4.40
PC10/USART3_TX: J9.2 U4.51 | length 1065.3
  Top Layer w10: J9.2 2655.52,3517 2928,3517 2985,3460 2985,3390 3216.73,3158.27 U4.51
PC11/USART3_RX: J9.3 U4.52 | length 953.7
  Top Layer w10: v1(3200,3138.58) U4.52
  Bottom Layer w10: J9.3 2776.26,3475 2863.58,3475 3170,3168.58 v1(3200,3138.58)
SWCLK: J9.4 U4.49 | length 937.1
  Top Layer w10: J9.4 2795,3535 3060,3535 3098.54,3496.46 3098.54,3435.75 3220,3314.29 3220,3227.17 3249.54,3197.64 U4.49
SWDIO: J9.5 U4.46 | length 918.9
  Top Layer w10: J9.5 2853.74,3555 3110.71,3555 3198.54,3467.18 3198.54,3435.75 3244.29,3390 3350,3390 3389.69,3350.31 U4.46
VDDA: C31.1 L2.2 U4.13 | length 142.8
  Top Layer w10: U4.13 3586.54,2693.14 L2.2
pads on no net: P1.0 P2.0 P3.0 P4.0 P5.0 U1.2 U1.3 U1.5 U4.2 U4.3 U4.4 U4.6 U4.8 U4.9 U4.10 U4.11 U4.14 U4.15 U4.16 U4.29 U4.30 U4.44 U4.45 U4.50 U4.53 U4.54 U4.56 U4.59

## Polygon pours and split planes (outlines as drawn)
GND on Top Layer "GND_L01_P007" (solid, pour order 7): 2310,1955 4750,1955 4750,4735 2310,4735
3V3 on Top Layer "NONET_L-01_P-001" (solid, pour order 4): 3250,2715 3390,2715 3390,2595 3320,2595 3250,2665
5V on Top Layer "NONET_L-01_P-001" (solid, pour order 3): 3620,4115 3660,4115 3705,4070 3880,4070 3880,3855 3825,3855 3825,3950 3800,3975 3620,3975
NetC2_2 on Top Layer "NONET_L-01_P-001" (solid, pour order 2): 3355,3940 3355,3695 3285,3625 3175,3625 3075,3725 3075,3865 3190,3980 3290,3980
24V on Top Layer "NONET_L-01_P-001" (solid, pour order 0): 4305,3570 4305,3480 4610,3480 4610,3570
GND on Bottom Layer "GND_L02_P008" (solid, pour order 8): 2310,1955 4750,1955 4750,4735 2310,4735

## Silkscreen, mask and mechanical layers (free items; w line width, h text height)
Top Overlay:
  drawing of 4 lines, arcs and shapes, not listed
  text "5V" at 3658.45,3986 h60 r90
  text "24V灯" at 2981.17,3880.84 h60
  text "气阀" at 4665.9,3819 h100 r270
  text "+ -" at 4581.93,3798.91 h100 r270
  text "3V3灯" at 3646,3606.94 h60
  text "GNDVCC SCL SDA" at 2992.79,3511.55 h60
  text "-  +" at 2798.07,3471.09 h100 r90
  text "激光" at 2713.82,3461 h100 r90
  text "+陀螺仪2" at 4411.36,3228.91 h100 r270
  text "H      L" at 2619,3001 h100 r90
  text "+  -  S" at 3881.92,2758.91 h100 r270
  text "H      L" at 2619,2726 h100 r90
  text "限位1" at 3997.62,2437.16 h60
  text "限位2" at 4195.18,2437.16 h60
  text "限位3" at 4395.21,2437.16 h60
  text "限位4" at 4589.07,2437.16 h60
  text "-     +     S" at 4408.94,2423.45 h60 r180
  text "Tx  G  Rx" at 4038.94,2393.45 h60 r180
  text "+陀螺仪" at 4411.36,2388.91 h100 r270
  text "小电脑" at 3814,2353.73 h100 r180
  text "Tx Rx G" at 3047.92,2333.45 h60 r180
  text "裁判系统" at 3124,2278.64 h100 r180
  text "复位按键" at 3643.94,2177.73 h60 r180
Mechanical 1:
  the board outline again, w10